# KiCad board FC_Board_v3.kicad_pcb (continued)
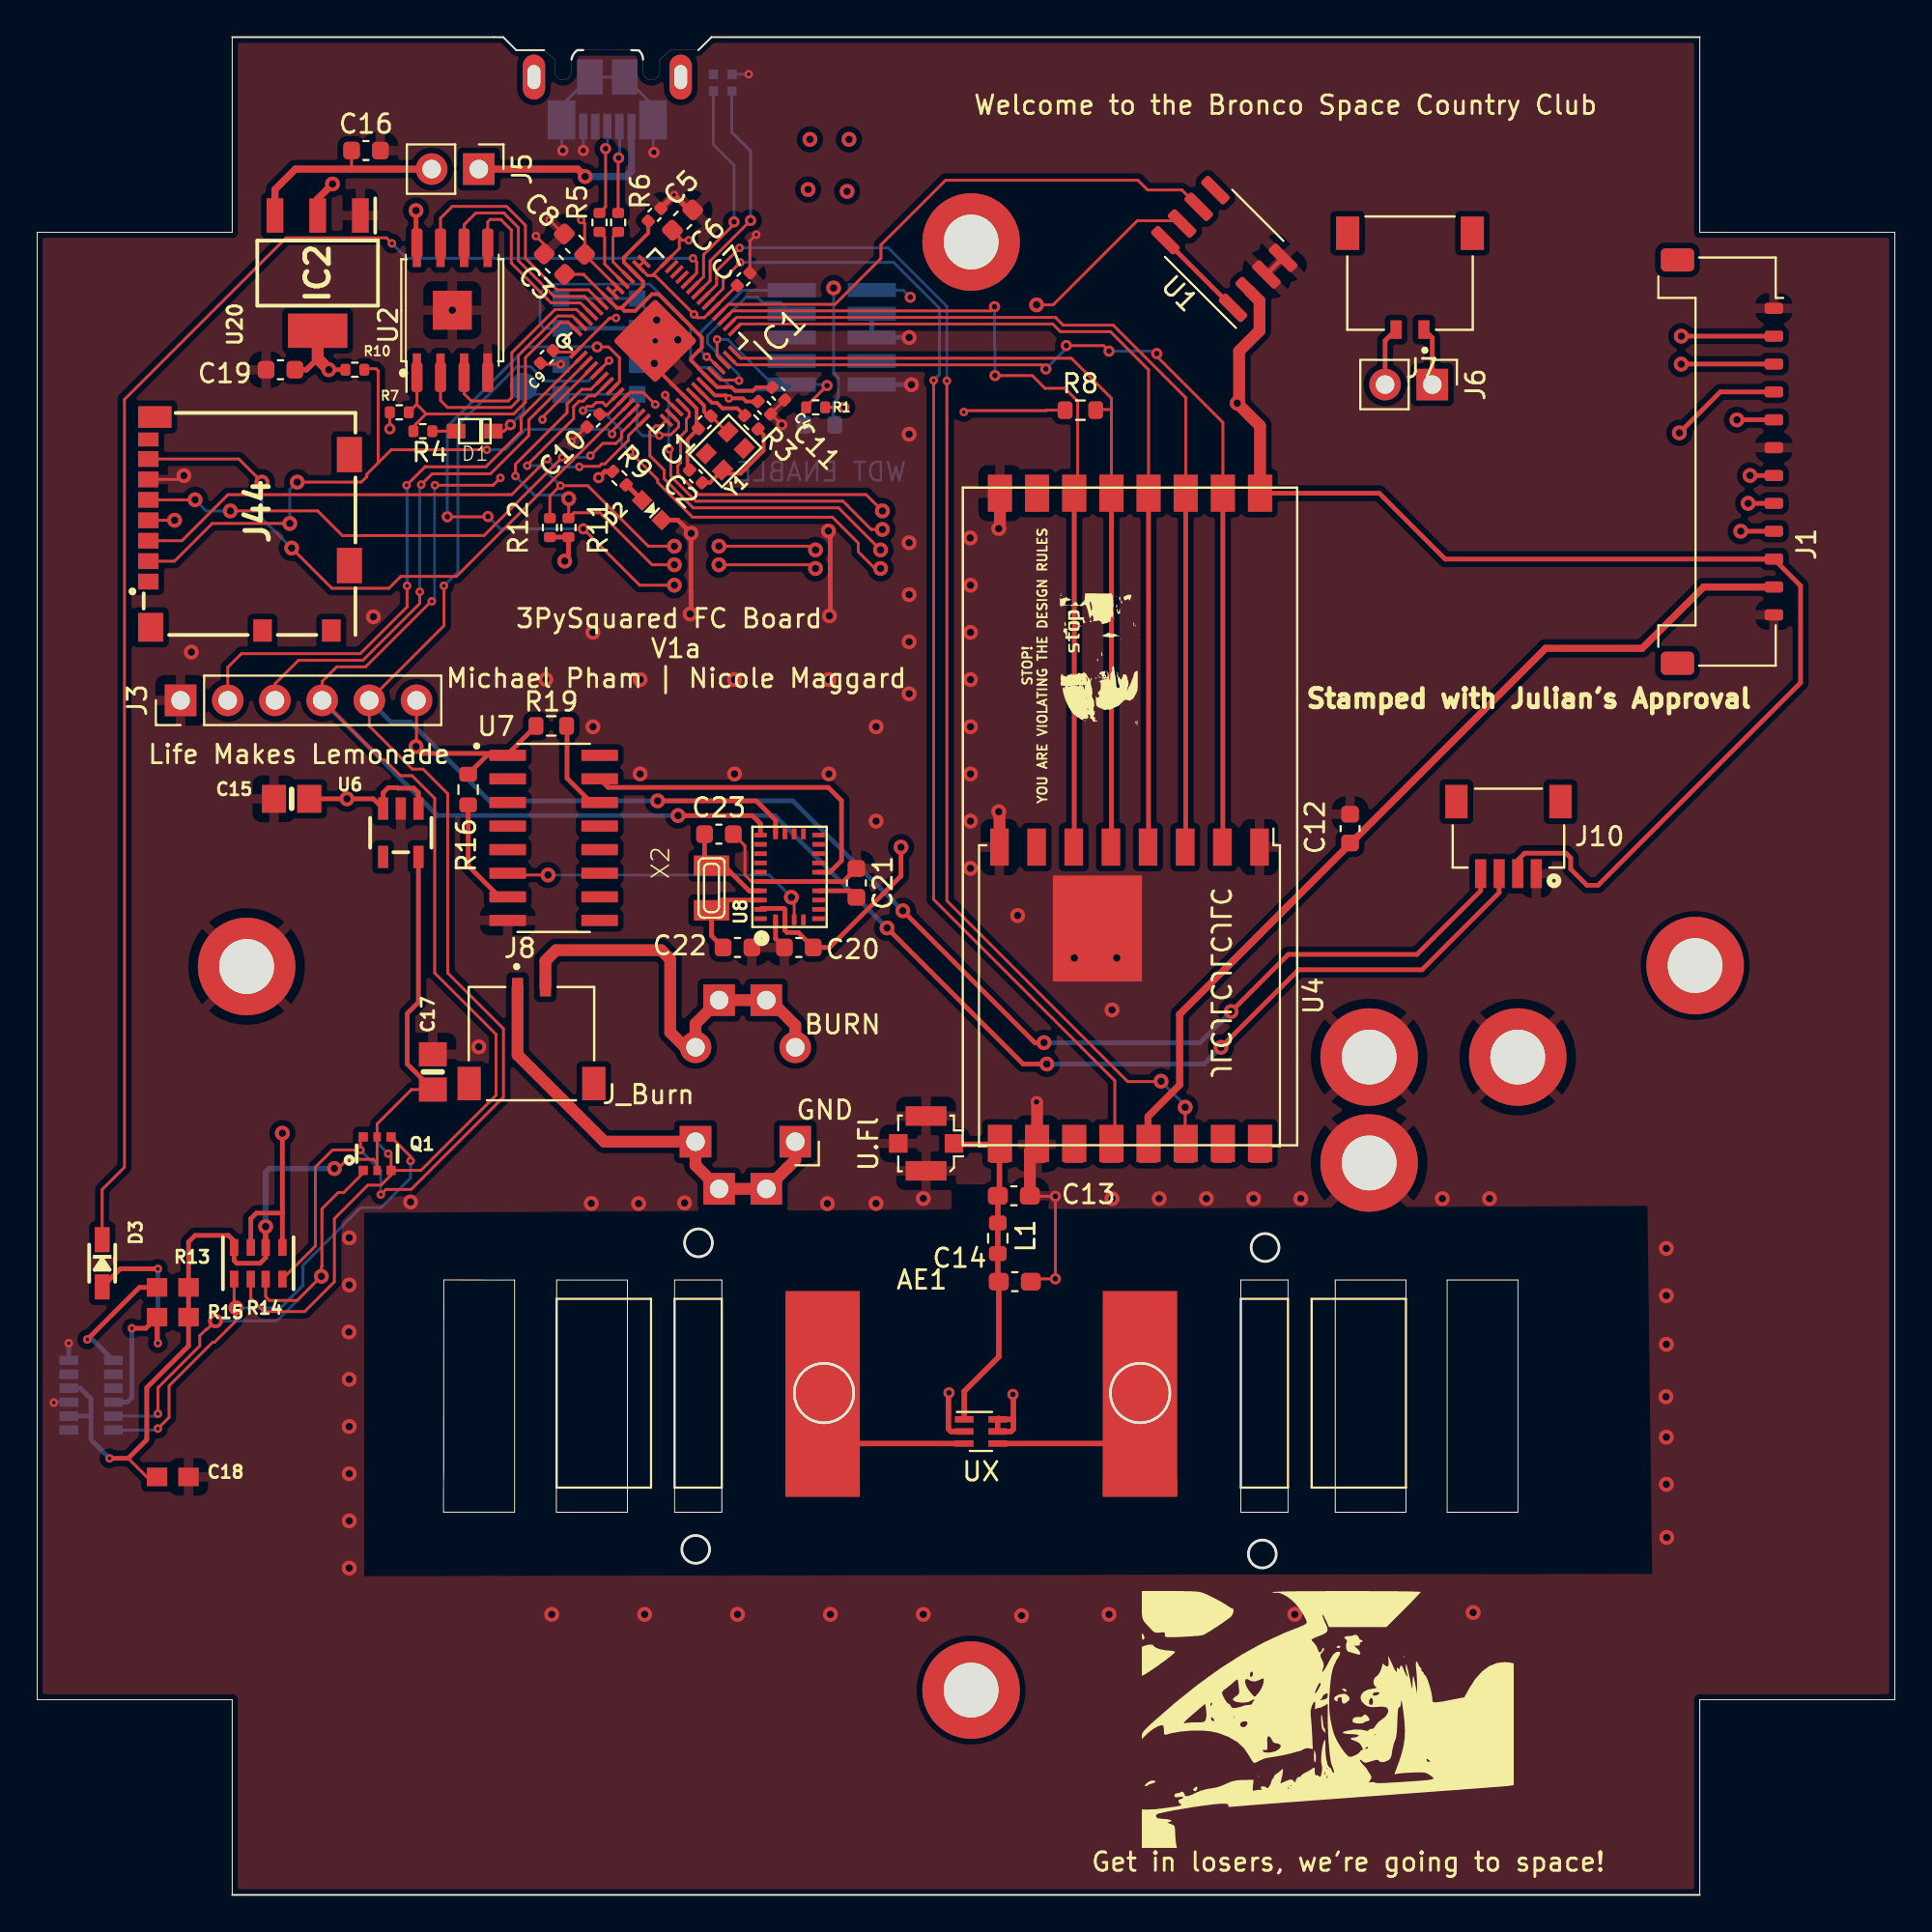
[diagram p0: board, top side]
## Footprints (pads in the part's own frame, mm; a bottom-side part is the same pattern mirrored in y, then rotated) (continued)
  rect 2.1x2.1 smd: 9(0,0)
SOT23-5
  rect 0.55x1.2 smd: 1(-0.95,-1.3) 2(0,-1.3) 3(0.95,-1.3) 4(0.95,1.3) 5(-0.95,1.3)
SOT230P700X180-4N
  rect 1.85x0.9 smd: 1(-3.1,2.3) 2(-3.1,0) 3(-3.1,-2.3)
  rect 1.85x3.2 smd: 4(3.1,0)
SOT363
  rect 0.5x0.5 smd: 1(-0.75,-0.9) 3(0.75,-0.9) 4(0.75,0.9) 6(-0.75,0.9)
  rect 0.4x0.5 smd: 2(0,-0.9) 5(0,0.9)
TESTPOINT_ROUND_1.5MM_NO
  rrect 1.5x1.5 smd: P$1(0,0)
U.FL_Molex_MCRF_73412-0110_Vertical
  rect 1x1 smd: 1(0,-1.5) 2(0,1.5)
  rect 1.05x2.2 smd: 2(-1.475,0) 2(1.475,0)
UHF_Dipole_Antenna_Mount
  rect 4x11 smd: 1(-8.54,-1.27) 2(8.54,-1.27)
  rect 4x1 smd: 1(-8.54,-6.35) 2(8.54,-6.35)
unnamed
  round 5.25 hole 2.95: 1(0,0)
VL6180
  rect 1x0.5 smd: 1(-1.2,1.875) 2(-1.2,1.125) 3(-1.2,0.375) 4(-1.2,-0.375) 5(-1.2,-1.125) 6(-1.2,-1.875) 7(1.2,-1.875) 8(1.2,-1.125) 9(1.2,-0.375) 10(1.2,0.375) 11(1.2,1.125) 12(1.2,1.875)
XTAL3215
  rect 1.1x1.9 smd: P$1(1.2,0) P$2(-1.2,0)

## Nets
1.2V: C3.1 C4.2 C5.2 IC1.23 IC1.45 IC1.50
2.8V: C17.1 C18.1 Q1.2 Q1.5 R13.2 R14.2 R14.4 R15.2 U5.8 U5.10 U6.5
3.3V: C6.1 C7.1 C8.1 C9.1 C10.1 C11.1 C15.1 C19.1 C20.1 IC1.1 IC1.10 IC1.22 IC1.33 IC1.42 IC1.43 IC1.44 IC1.48 IC1.49 IC2.2 IC2.4 J1.10 J2.1 J2#2.1 J3.6 J10. J44.4 R1.1 R7.1 R8.1 R9.1 R10.2 R11.1 R12.1 R14.1 R14.3 R16.2 R19.2 U1.2 U2.8 U3.9 U6.1 U6.3 U7.1 U8.3 U8.28
GND: C1.1 C2.1 C3.2 C4.1 C5.1 C6.2 C7.2 C8.2 C9.2 C10.2 C11.2 C12.1 C13.2 C14.2 C15.2 C16.2 C17.2 C18.2 C19.2 C20.2 C21.1 C22.2 C23.2 D2.C IC1.19 IC1.P$1 IC2.1 J1.1 J1.6 J1.12 J2#2.3 J2#2.5 J2#2.9 J3.1 J3#2.1 J10.1 J44.6 LED1.4 NOREF.1 NOREF#2.1 NOREF#3.1 SW1.B SW1.B' SW2.B SW2.B' U1.3 U1.4 U2.4 U3.2 U3.16 U3.17 U4.1 U4.8 U4.10 U5.9 U5.12 U6.2 U7.8 U8.2 U8.10 U8.25 U20.4 U20.9 U.Fl.2 UX.2 UX.5 UX.6
VBUS: J5.1 J5#2.1
VBUS_RESET: IC1.17 J1.3
VCC_RF1: C12.2 J1.11 U3.5 U4.13
/A1: IC1.39
/A2: IC1.40
/A3: IC1.41
/BATT_NEG: J6.1 J7.1
/BATT_POS: J6.2 J7.2
/BOOT: R16.1 U7.7
/BOOT_3V: U7.6 U8.4
/CAP: C21.2 U8.9
/CS: U7.9
/CS_3V: U7.10
/D+: IC1.47 R5.2
/D-: IC1.46 R6.2
/GPIO: R13.1 U5.1
/INT: U8.14
/MOSI: U7.11
/MOSI_3V: U7.12
/PS0: U7.3
/PS0_3V: U7.2
/PS1: U7.5
/PS1_3V: U7.4
/QSPI_CS: IC1.56 R4.1 R7.2 U2.1
/QSPI_DATA[0]: IC1.53 U2.5
/QSPI_DATA[1]: IC1.55 U2.2
/QSPI_DATA[2]: IC1.54 U2.3
/QSPI_DATA[3]: IC1.51 U2.7
/QSPI_SCK: IC1.52 U2.6
/RST: R19.1 U7.14
/RST_3V: U7.15 U8.11
/SCL_3V: Q1.1 R14.7 U5.5
/SDA_3V: Q1.4 R14.5 U5.6
/USBBOOT: D1.C IC1.16 SW1.A SW1.A' TP1.P$1
/XIN: C22.1 U8.27 X2.P$1
/XOUT: C23.1 U8.26 X2.P$2
/XSHUT: D3.C IC1.38
/XSHUT_2.8V: D3.A R15.1 U5.4
/~{RESET}: IC1.26 J2#2.10 R1.2 R2.1 SW2.A SW2.A'
BURN_RELAY_A: IC1.18 J1.2
ENAB_RF: IC1.15 J1.5
ENABLE_BURN: IC1.8 J1.9
I2C_RESET: IC1.9 J1.4
NEO_PWR: IC1.37 LED1.2
NEOPIX: IC1.36 LED1.1
RF1_ANT: C13.1 L1.1 U3.1 U4.9 U.Fl.1 UX.1
RF1_IO0: IC1.35 U3.6 U4.14
RF1_IO4: IC1.34 U3.4 U4.12
RF1_RST: IC1.31 U3.14 U4.6
RX: IC1.3 J3.3
SCL0: IC1.7 J1.7 R12.2
SCL1: IC1.5 J3.5 J10.4 Q1.6 R14.8 U8.19
SDA0: IC1.6 J1.8 R11.2
SDA1: IC1.4 J3.4 J10.3 Q1.3 R14.6 U8.20
SPI0_CS0: IC1.28 R8.2 U3.13 U4.5
SPI0_MISO: IC1.27 U3.10 U4.2
SPI0_MOSI: IC1.30 U3.11 U4.3
SPI0_SCK: IC1.29 U3.12 U4.4
SPI1_CS0: IC1.12 J44.2 R10.1
SPI1_MISO: IC1.11 J44.7
SPI1_MOSI: IC1.14 J44.3
SPI1_SCK: IC1.13 J44.5
SWCLK: IC1.24 J2#2.4
SWDIO: IC1.25 J2#2.2
TX: IC1.2 J3.2
VUR: C16.1 IC2.3 J5#2.2
WDT_WDI: IC1.32 U1.6
Net-(C1-Pad2): C1.2 IC1.20 Y1.3
Net-(C2-Pad2): C2.2 R3.1 Y1.1
Net-(C14-Pad1): C14.1 L1.2
Net-(D1-PadA): D1.A R4.2
Net-(D2-PadA): D2.A R9.2
Net-(IC1-Pad21): IC1.21 R3.2
Net-(R2-Pad2): R2.2 U1.7
Net-(R5-Pad1): R5.1
Net-(R6-Pad1): R6.1
Net-(U1-Pad1): U1.1 U1.8

Pads without a net: AE1 1 2; J1 MP; J2#2 6 7 8; J4 1; J7 S1 S2; J8 1 2 S1 S2; J10 S1 S2; J44 1 8 9 10 11 12 13 14; J_Burn 1 2; LED1 3; U1 5; U3 3 7 8 15; U4 7 11 15 16; U5 2 3 7 11; U6 4; U7 13 16; U8 1 5 6 7 8 12 13 15 16 17 18 21 22 23 24; U20 1 2 3 5 6 7 8; UX 3 4; X1 1 2 3 4 5 SH1 SH2 SH3 SH4 SH5 SH6; Y1 2 4

## Via types
v1: diameter 0.8, hole 0.4, Top to Bottom, 143 vias
v2: diameter 0.6, hole 0.3, Top to Bottom, 30 vias
v3: diameter 0.46, hole 0.2, Top to Bottom, 60 vias

## Routing (per net, layer and track width the routed paths; a pad name or vN(x,y) marks a point on that pad's centre or on a via; arc(x,y) is an arc through that point)
1.2V: length 22.3
  Top w0.152: IC1.50 29.44,87.2 29.44,87.23 C3.1
  Top w0.2: 31.45,85.43 31.21,85.43 IC1.50 ; 31.45,85.43 31.62,85.27 32.19,85.27 33.09,86.16 33.45,86.16 35.78,83.83 35.78,83.29 35.2,82.71 35.2,82.59 35.61,82.18 35.61,82.16 IC1.23 36.6,81.16 37.38,81.16 37.58,80.96 38.52,80.96 38.72,81.15 C4.2 ; 31.45,85.43 32.62,86.6 32.62,86.84 IC1.45 31.58,87.88 31.58,88.14 32.89,89.45 C5.2
2.8V: length 59.1
  Top w0.152: 21.15,43.2 C17.1 20.15,43.35 18.3,41.5 Q1.5 Q1.2 18.3,39.4 18.11,39.59 16.69,39.59 16.2,39.1 v1(16,39.1) ; C18.1 5.9,22.5 4.9,23.5
  Top w0.25: R14.2 12.3,34.3 12,34 10.75,34 10.6,34.15 R14.4 10.6,35.2 10.3,35.5 8.5,35.5 8.15,35.15 R13.2 R15.2 ; U6.5 20.52,48.05 19.92,47.45 19.92,44.72 C17.1
  Top w0.254: v3(3.9,23.5) 4.9,23.5 5.9,24.5 5.9,27.3 8.15,29.55 R15.2
  Top w0.293: R14.2 v1(12.3,35.97)
  Bottom w0.254: 2.9,25.7 2.9,26.7 2.32,27.27 U5.10 ; 2.9,25.7 2.9,24.5 v3(3.9,23.5) ; 2.9,25.7 2.82,25.77 U5.8
  Bottom w0.293: v1(16,39.1) 12.5,39.1 12.3,38.9 v1(12.3,35.97)
3.3V: length 194
  Top w0.152: IC1.43 IC1.44 32.86,87.17 33.11,87.17 ; R1.1 v2(43.43,80.07) ; v3(35.08,89.07) 34.73,89.07 C6.1 34.57,89.23 34.57,88.63 IC1.42 33.11,87.17 ; IC1.49 IC1.48 29.47,88.3 C8.1 29.47,89.97 v3(29.28,90.16) ; v2(18.98,78.92) 18.98,78.92 R7.1 ; R8.1 54.33,79.92 54.3,79.9 49.96,79.9 v3(49.88,79.82) ; 33.11,87.17 33.26,87.17 v3(35.36,85.08) 35.53,84.9 35.91,84.9 36.4,85.38 IC1.33 ; J44.4 7.39,73.99 v1(7.4,74) ; v3(31.16,84.88) 30.83,84.88 IC1.1 27.85,83.05 C9.1 ; J3.6 20.42,61.84 ; 36.42,85.38 37.67,86.63 C7.1 ; C10.1 30.74,79.7 31.54,80.5 IC1.10 31.91,80.88 32.62,80.88 v3(33.27,80.23)
  Top w0.2: IC1.22 36.49,80.71 37.08,80.71 v3(37.23,80.56) 38,80.56 38.17,80.39 C11.1
  Top w0.25: R14.3 11.5,36.4 11.8,36.7 13.2,36.7 ; R12.1 R11.1 28.6,72 v1(28.4,71.8) ; 13.2,36.7 v1(13.2,41) ; 13.2,36.7 R14.1 ; R10.2 v1(15.7,82.1) ; 26.87,62.8 26.78,62.8 ; U6.1 20.52,59.32 20.27,59.57 19.42,59.57 19.4,59.6 18.9,59.6 18.62,59.32 U6.3 18.1,59 v1(16.67,59) C15.1 ; R19.2 25.33,61.4 U7.1 24.22,61.34 R16.2 ; U8.28 38.99,53.1 40.2,53.1 40.25,53.05 U8.3 40.25,51.92 40.37,51.8 40.97,51.8 C20.1 42.65,51 46.5,54.84 v1(46.5,56.4) ; J1.10 89.4,71.9 ; J1.10 75.79,71.9 72.25,75.45 U3.9 ; J1.10 94.92,70.47 94.92,65.25 84.02,54.35 83.42,54.35 82.55,55.22 82.55,55.82 82.3,56.07 80.07,56.07 79.7,55.7 79.7,54.97 ; v1(20.39,61.81) 20.76,61.44 25.22,61.44
  Top w0.254: v2(30.22,76.29) 30.56,76.62 R9.1 ; v1(20.39,90.67) 20.39,89 20.44,89
  Top w0.293: 15.1,82.7 14.5,82.1 C19.1
  Top w0.381: IC2.2 15.1,91.3 v1(15.9,92.1)
  Top w0.635: 65.27,86.33 U1.2 65.8,85.8 65.8,84.2 64.7,83.1 64.7,80.4 v1(64.6,80.3) 65.83,79.07 U3.9 ; v1(15.7,82.1) 15.1,82.7 IC2.4
  In1.Cu w0.152: v2(43.43,80.07) 43.43,82.43 v2(47,86)
  In1.Cu w0.25: v1(13.2,41) 16.67,44.47 v1(16.67,59)
  Bottom w0.152: v2(47,86) 46.62,86.38 J2#2.1
  vias: v1(41.5,91.8) v1(41.6,94.5) v1(43.6,91.7) v1(43.7,94.5)
GND: length 94.9
  Top w0.152: C23.2 38.1,56.47 38.1,54.9 38.45,54.55 U8.25 ; C10.2 29.55,79.02 v3(28.75,78.22) ; 53.44,33.16 v2(54.81,33.16) v2(54.81,37.6) 53.46,37.6 C13.2 ; v3(27.58,90.16) 28.33,89.41 C8.2 ; C3.2 27.3,88.84 v3(26.85,89.29) ; C7.2 38.37,89.03 v3(38.71,89.37) ; J44.6 7.69,76.19 v1(7.9,76.4) ; v2(40.08,79.13) 39.5,79.71 C11.2 C4.1 ; C9.2 27.15,82.39 v3(28.19,82.39)
  Top w0.2: v2(33.27,83.65) 33.27,82.24 IC1.19 35.5,80.01 35.5,79.02 C1.1 35.01,78.35 35.01,76.81 C2.1
  Top w0.25: C21.1 43.4,54.55 U8.10 U8.25 ; C20.2 39.75,51.47 U8.2 ; U1.3 U1.4
  Top w0.254: v1(42.59,73.42) 42.69,73.32 42.69,70.15 42.7,70.14 42.7,68.9 v1(42.65,68.85) ; v1(35.15,68.95) 35.2,69 35.2,70.14 35.19,70.15 35.19,73.28 v1(35.2,73.29) 34.49,74.01 D2.C
  Top w0.293: C5.1 33.57,90.79 v3(34.29,91.5) 35.09,90.7 C6.2 ; 52.55,25.65 52.55,26.91 v2(52.53,26.94) ; 52.55,25.65 52.55,25.07 52.42,24.95 UX.5 UX.6 ; 52.55,25.65 52.5,25.6 UX.6 ; UX.6 51.76,25.66 ; v2(49.09,27.02) 49.06,27 49.06,25.07 49.19,24.95 UX.2
  Top w0.635: v1(51.76,73.55) 51.83,73.61 U3.16 ; U3.2 53.83,42.65 v2(53.8,42.68) ; C13.2 53.44,40.04 U4.10 ; v1(51.76,58.31) 51.8,58.27 U4.8
  Bottom w0.152: v3(0.9,26.5) 0.92,26.52 U5.9 ; v1(33.35,84.77) 32.3,85.82 SW2.B SW2.B' ; 28.23,95.55 28.23,96.33 29.75,97.85 31.63,97.85 33.15,96.33 33.15,95.55 ; LED1.4 38.29,98 v3(38.3,98.01) ; v1(33.22,82.44) 33.16,82.37 SW1.B ; v2(33.2,93.8) 33.16,93.84 33.16,95.66 ; 29.4,95.3 v2(29.4,93.9) ; 28.24,95.66 28.24,93.96 v2(28.3,93.9)
  Bottom w0.254: v1(46.94,83.83) 46.93,83.84 J2#2.5 J2#2.3 ; J2#2.9 47.06,81.3 v1(47.06,81.29) ; U5.12 v3(1.7,29.7)
  vias: v1(8.3,66.9) v1(16.8,35.37) v1(16.8,32.83) v1(16.78,30.3) v1(16.8,27.75) v1(16.8,25.21) v1(16.8,22.67) v1(16.8,20.13) v1(16.8,17.59) v1(18.1,68.8) v1(20.1,37.3) v1(22.35,85.3) v1(23.77,45.65) v1(27.38,65.42) v1(27.7,15.1) v1(29.83,37.22) v1(29.92,67.96) v1(29.92,62.88) v1(32.38,37.21) v1(32.46,65.42) v1(32.46,60.34) v1(32.7,15.1) v1(34.49,83.71) v1(34.85,37.25) v1(37.54,65.42) v1(37.54,60.34) v1(37.7,15.1) v1(42.54,37.21) v1(42.62,65.42) v1(42.62,60.34) v1(42.7,15.1) v1(45.16,62.88) v1(45.16,57.8) v1(45.16,37.22) v1(46.94,78.63) v1(46.94,72.78) v1(46.94,69.99) v1(46.94,67.45) v1(46.94,64.66) v1(47.7,37.49) v1(47.7,15.1) v1(50.22,73.04) v1(50.24,70.5) v1(50.24,67.96) v1(50.24,65.42) v1(50.24,62.88) v1(50.24,60.34) v1(50.24,57.8) v1(50.24,55.26) v1(52.78,52.72) v1(52.99,15.03) v1(55.83,50.43) v1(57.7,15.1) v1(57.86,47.64) v1(57.86,37.48) v1(58.11,50.43) v1(60.4,37.48) v1(62.7,15.1) v1(62.94,37.48) v1(65.48,37.48) v1(67.7,15.1) v1(68.02,37.48) v1(72.71,15.12) v1(75.64,37.48) v1(77.3,15.2) v1(78.18,37.48) v1(87.7,34.8) v1(87.7,32.26) v1(87.7,29.63) v1(87.68,26.81) v1(87.7,24.64) v1(87.7,22.1) v1(87.72,19.24)
VBUS: length 10.9
  Top w0.381: v1(29.5,92.5) 29.1,92.9 J5#2.1
  Bottom w0.381: 31.99,95.19 31.99,92.79 31.7,92.5 v1(29.5,92.5)
VBUS_RESET: length 71.8
  Top w0.152: IC1.17 33.81,80.57 v3(33.81,80.73) ; v3(34.03,77.81) 34.11,77.74 34.11,76.37 35.45,75.02 43.38,75.02 44.9,73.5 v1(45.5,73.5)
  Top w0.25: J1.3 88.5,82.4 v1(88.5,82.4)
  In1.Cu w0.152: 46.9,74.9 v1(45.5,73.5) 49.3,77.3 83.4,77.3 v1(88.5,82.4)
  Bottom w0.152: v3(33.81,80.73) 34,80.54 34,77.85 v3(34.03,77.81)
VCC_RF1: length 54.4
  Top w0.381: U4.13 59.8,41.9 61.5,43.6 61.5,47.4 63.95,49.85 ; J1.11 89.7,70.4 86.4,67.1 81.2,67.1 63.95,49.85 ; 63.95,49.85 67.6,53.5
(no net): length 11.3
  Top w0.293: UX.4 57.34,24.3 ; UX.3 44.27,24.3
/BATT_NEG: length 3.1
  Top w0.25: 74.65,84.26 75.1,83.81 J6.1
/BATT_POS: length 3.2
  Top w0.25: 73.15,84.26 72.56,83.66 J6.2
/BOOT: length 6.1
  Top w0.25: U7.7 24.88,53.72 23.2,55.4 R16.1
/BOOT_3V: length 17.1
  Top w0.152: U8.4 40.75,53.55 v1(40.6,53.7) ; U7.6 25.42,54.9 v1(27.5,54.9)
  Bottom w0.152: v1(40.6,53.7) 39.4,54.9 v1(27.5,54.9)
/CAP: length 2.2
  Top w0.25: U8.9 43.75,54.05 C21.2
/D+: length 3.2
  Top w0.152: R5.2 30.55,89.24 30.55,87.79 IC1.47
/D-: length 2.9
  Top w0.152: IC1.46 31,87.9 31,89.24 R6.2
/GPIO: length 6.8
  Top w0.254: v3(2.7,29.9) 5.5,32.7 R13.1
  Bottom w0.254: U5.1 2.97,29.9 v3(2.7,29.9)
/QSPI_CS: length 15.6
  Top w0.152: R7.2 20.42,80.22 20.44,80.22 ; 20.44,80.22 20.95,79.71 ; 20.44,80.22 20.44,81.65 ; 20.95,79.71 20.92,79.71 20.25,79.04 R4.1 ; 20.95,79.71 25.65,79.71 26.28,80.35 26.28,82.75 28.17,84.64 28.61,84.64 IC1.56
/QSPI_DATA[0]: length 9.9
  Top w0.152: 24.25,88.95 24.25,90.06 24.38,90.18 24.96,90.18 25.52,89.62 25.52,87.84 27.67,85.69 29.25,85.69 IC1.53
/QSPI_DATA[1]: length 12.6
  Top w0.152: 21.71,81.65 21.71,80.45 22.09,80.06 25.5,80.06 25.9,80.46 25.9,82.87 28.02,84.99 28.82,84.99 IC1.55
/QSPI_DATA[2]: length 11.2
  Top w0.152: 22.98,81.65 22.98,80.8 23.36,80.42 25.36,80.42 25.55,80.61 25.55,83.01 27.88,85.34 29.03,85.34 IC1.54
/QSPI_DATA[3]: length 13.5
  Top w0.152: IC1.51 29.67,86.4 27.98,86.4 26.28,88.09 26.28,89.87 25.27,90.89 22.35,90.89 21.71,90.25 21.71,88.95
/QSPI_SCK: length 11.5
  Top w0.152: 30.12,85.38 29.46,86.04 27.83,86.04 25.9,87.97 25.9,89.75 25.11,90.54 23.62,90.54 22.98,89.9 22.98,88.95
/RST: length 5.1
  Top w0.25: R19.1 28.52,62.9 28.52,60.11 29.83,58.8 U7.14
/RST_3V: length 18.2
  Top w0.25: U8.11 42.67,55.05 43.3,55.67 43.3,58.9 42.58,59.61 30.74,59.61 U7.15
/SCL_3V: length 26.8
  Top w0.152: Q1.1 17.55,38.85 16.5,37.8 16.21,37.8 15.33,36.93 15.33,33.83 15.3,33.8 v1(15.3,33.3) 14,32 12.5,32 12.3,32.2 R14.7 ; v1(9.6,30.9) 9.15,30.45 9.1,30.45 8.75,30.1 8.75,29.55 6.5,27.3 v3(6.5,25.9)
  Bottom w0.152: v1(9.6,30.9) 12.9,30.9 v1(15.3,33.3) ; U5.5 6.37,25.77 v3(6.5,25.9)
/SDA_3V: length 28
  Top w0.152: Q1.4 20.1,39.75 v3(20.1,39.5) ; R14.5 10.6,31.7 v1(10.7,31.6) 10.7,30.9 9.55,29.75 9.45,29.75 7.1,27.4 7.1,25.7 v3(6.5,25.1)
  Bottom w0.152: v3(6.5,25.1) 6.42,25.02 U5.6 ; v1(10.7,31.6) 13.1,31.6 14.3,32.8 14.3,33.88 17.41,36.99 18.51,36.99 20.1,38.58 v3(20.1,39.5) 20.1,39.41
/USBBOOT: length 15
  Top w0.152: D1.C 25.13,78.79 v2(25.47,79.14) ; IC1.16 34.53,79.28 34.53,79.02 34.11,78.6 33.53,78.6 v3(33.49,78.56)
  Bottom w0.152: v3(33.49,78.56) 32.58,78.56 32.3,78.84 SW1.A SW1.A' 26.6,80.77 TP1.P$1 26.19,79.85 v2(25.47,79.14)
/XIN: length 5.1
  Top w0.25: C22.1 36.3,51.62 X2.P$1 36.85,53.55 U8.27
/XOUT: length 5.1
  Top w0.25: C23.1 35.92,55.77 X2.P$2 36.97,55.4 38.32,54.05 U8.26
/XSHUT: length 82
  Top w0.152: IC1.38 35.38,87.17 35.38,87.17 35.5,87.3 35.5,87.9 v3(35.3,88.1) ; D3.C 3.5,37.97 4.7,39.17 4.7,80.5 13.4,89.2 18.8,89.2 19.1,88.9 v3(19.1,88.9)
  Bottom w0.152: v3(19.1,88.9) 19.9,88.1 v3(35.3,88.1)
/XSHUT_2.8V: length 15.3
  Top w0.254: v3(6.5,29.7) 6.45,29.75 R15.1 5.85,30.5 v3(5.1,30.5) ; D3.A 4.47,33.7 v3(6.5,33.7)
  Bottom w0.254: v3(6.5,29.7) v3(6.5,33.7) ; U5.4 4.85,26.52 5.1,26.77 v3(5.1,30.5)
/~{RESET}: length 36.9
  Top w0.152: IC1.26 36.6,82.87 36.6,83.73 v3(36.6,83.73) ; v2(42.52,81.24) 41.4,80.12 R1.2
  Bottom w0.152: J2#2.10 42.46,81.3 v2(42.52,81.24) 41.29,80.01 R2.1 ; J2#2.10 40.33,81 37.5,81 36.3,82.21 35.63,82.21 35.17,82.67 35.17,84.51 32.98,86.7 27.52,86.7 27.07,86.26 27.07,84.54 27.29,84.33 SW2.A' ; J2#2.10 39.6,81.3 37.17,83.73 v3(36.6,83.73)
  Bottom w0.254: SW2.A' SW2.A
BURN_RELAY_A: length 69.4
  Top w0.152: IC1.18 35.09,79.85 35.09,79.58 34.95,79.44 34.95,78.83 34.63,78.51 34.63,77.09 34.49,76.94 34.49,76.5 35.61,75.37 44.62,75.37 v1(45.5,74.5)
  Top w0.25: J1.2 v1(88.5,83.9)
  In1.Cu w0.152: 88.5,83.9 82.5,77.9 48.9,77.9 v1(45.5,74.5) 46.6,75.6
ENAB_RF: length 74.1
  Top w0.152: v1(45.4,72.4) 43.13,74.66 35.31,74.66 33.75,76.22 33.75,76.7 32.98,77.47 32.98,78.77 33.3,79.08 33.58,79.08 33.87,79.37 IC1.15
  Top w0.25: J1.5 91.6,79.4
  In1.Cu w0.152: 47.22,74.22 v1(45.4,72.4) 49.8,76.8 84.5,76.8 87.1,79.4 v1(91.5,79.4) 88.1,79.4
ENABLE_BURN: length 93.1
  Top w0.152: v2(22.08,74.18) 24.25,74.18 v2(24.27,74.2) ; IC1.8 31.34,81.44 31.34,82.74 30.76,83.32 v2(30.15,83.32) ; v1(34.3,70.5) 32.43,70.5 v2(29.4,73.53)
  Top w0.25: 91.7,73.4 v1(91.7,73.4) J1.9
  In1.Cu w0.152: v1(91.7,73.4) 89,73.4 84.9,69.3 46,69.3 45.7,69.6 43,69.6 42.1,70.5 v1(34.3,70.5)
  Bottom w0.152: v2(30.15,83.32) 26.37,83.32 22.08,79.03 v2(22.08,74.18) ; v2(24.27,74.2) 24.93,73.53 v2(29.4,73.53)
I2C_RESET: length 76.4
  Top w0.152: v3(31.91,77.67) 33.4,76.18 33.4,76.03 35.28,74.16 42.81,74.16 44.2,72.77 44.2,72.3 45.1,71.4 v1(45.4,71.4) ; v3(29.38,79.9) 29.61,80.12 29.88,80.12 30.09,80.34 30.44,80.34 30.62,80.15 IC1.9
  Top w0.25: J1.4 90.6,80.9 v1(88.4,78.7)
  In1.Cu w0.152: 51.97,72.37 51.37,72.37 ; 51.37,72.37 82.02,72.37 83.33,73.67 ; 51.37,72.37 47.48,72.37 46.51,71.4 v1(45.4,71.4) ; 83.33,73.67 82.56,72.9 ; 83.33,73.67 88.36,78.7
  Bottom w0.152: 88.36,78.7 v1(88.4,78.7) ; v3(29.38,79.9) 30.4,79.9 31.46,78.85 31.46,78.13 v3(31.91,77.67)
NEO_PWR: length 12
  Top w0.152: IC1.37 35.87,87.1 35.87,88.29 37.51,89.93 v2(37.51,90.06)
  Bottom w0.152: LED1.2 36.39,97.09 36.39,94.22 37.51,93.1 v2(37.51,90.06)
NEOPIX: length 12.5
  Top w0.152: v2(38.4,90.13) 36.23,87.95 36.23,86.89 IC1.36
  Bottom w0.152: LED1.1 37.39,97.08 37.39,94.89 38.4,93.88 v2(38.4,90.13)
RF1_ANT: length 18.2
  Top w0.293: U4.9 49.4,40.4 U.Fl.1 ; U4.9 51.7,40.3 ; U4.9 51.8,37.72 C13.1 51.71,36.17 L1.1 51.71,34.52 51.71,33.06 51.76,33.01 51.76,28.96 49.9,27.1 49.9,27.09 UX.1
RF1_IO0: length 67.5
  Top w0.152: 61.8,42.43 U4.14 ; IC1.35 36.58,86.68 36.58,87.42 v3(37.81,88.66) ; v3(48.97,81.5) 48.97,53.51 58.7,43.78 60.48,43.78 v1(60.5,43.8)
  Bottom w0.152: v1(61.8,42.4) 61.8,42.5 v1(60.5,43.8) ; v3(48.97,81.5) 48.97,85.5 45.81,88.66 44.8,88.66 44.8,88.66 v3(37.81,88.66)
RF1_IO4: length 63.9
  Top w0.152: IC1.34 36.13,85.68 36.93,86.47 36.93,86.96 v3(37.84,87.87) ; v3(48.26,81.52) 48.26,53.58 58.01,43.83 58.01,40.61 U4.12
  Bottom w0.152: v3(37.84,87.87) 46.1,87.87 48.57,85.4 48.57,81.83 v3(48.26,81.52)
RF1_RST: length 47.7
  Top w0.152: IC1.31 37.43,85.27 51.31,85.27 v2(51.53,85.49) ; U3.14 55.83,75.65 56.01,75.84 56.01,80.4 55.31,81.1 54.25,81.1 53.57,81.78 v2(51.56,81.78)
  Top w0.254: U4.6 55.83,56.43 U3.14
  Bottom w0.152: v2(51.56,81.78) 51.56,83.27 51.53,83.29 v2(51.53,85.49)
RX: length 29
  Top w0.152: v3(20.6,70.14) 20.6,69.52 17.54,66.46 14.07,66.46 12.8,65.19 J3.3 ; v3(20.67,75.91) 21.26,76.49 24.4,76.49 26.47,78.56 26.47,79.39 IC1.3
  Bottom w0.152: v3(20.6,70.14) 20.6,75.83 v3(20.67,75.91)
SCL0: length 80.7
  Top w0.152: IC1.7 30.03,80.69 29.68,80.69 29.39,80.4 29.17,80.4 28.88,80.11 28.88,79.46 26.38,76.97 v3(26.38,76.93) ; R12.2 27.6,75.3 28.16,75.86 v3(28.17,75.86) 29.64,75.86 32.9,72.6 v1(34.3,72.6) ; v1(41.9,72.4) 41.7,72.6 v1(36.7,72.6)
  Top w0.25: 92.2,76.4 v1(92.2,76.4) J1.7
  In1.Cu w0.152: v1(41.9,72.4) 43.7,70.6 45.6,70.6 46.05,71.05 46.65,71.05 47.41,71.8 83.9,71.8 88.5,76.4 v1(92.2,76.4) ; v1(34.3,72.6) v1(36.7,72.6)
  Bottom w0.152: v3(28.17,75.86) 27.09,76.93 v3(26.38,76.93)
SCL1: length 153.9
  Top w0.152: R14.8 14.98,34.92 14.98,39.17 15.9,40.1 v3(17.4,40.1) 17.4,40.65 Q1.6 ; v3(18.5,37.7) 18.78,37.97 20.13,37.97 25.1,42.94 25.1,46.62 22.1,49.62 22.1,59.27 20.77,60.6 20.2,60.6 17.88,62.92 J3.5 21.89,68.31 v3(21.89,70.47) ; v3(30.78,82.59) 30.12,81.93 IC1.5
  Top w0.25: J10.4 77.7,54.05 74.27,50.62 67.35,50.62 v1(64.27,47.55) ; v1(46.6,52.97) 53.7,45.87 v1(54.2,45.87) ; v1(33.4,58.89) 38.71,58.89 39.75,57.85 U8.19
  Bottom w0.152: v3(30.78,82.59) 29.69,81.5 27.33,81.5 26.57,82.26 25.8,82.26 22.66,79.11 22.66,71.23 v3(21.89,70.47) ; v3(17.4,40.1) 18.5,39 v3(18.5,37.7)
  Bottom w0.25: J3.5 19.06,63.13 20.11,63.13 24.34,58.89 v1(33.4,58.89) 40.68,58.89 v1(46.6,52.97) ; v1(54.2,45.87) 62.6,45.87 v1(64.27,47.55)
SDA0: length 80.9
  Top w0.152: v1(41.9,71.4) 41.7,71.6 v1(36.7,71.6) ; v1(34.3,71.6) 33.1,71.6 30.3,74.4 28.89,74.4 R11.2 ; R11.2 28.45,74.26 ; R11.2 28.61,74.12 v1(28.61,75.16) ; v3(25.75,76.37) 25.75,77.01 28.53,79.79 28.53,80.25 29.31,81.04 29.81,81.04 IC1.6
  Top w0.25: 92.1,74.9 v1(92.1,74.9) J1.8
  In1.Cu w0.152: v1(41.9,71.4) 43.05,70.25 45.85,70.25 46.3,70.69 46.8,70.69 47.55,71.45 85.15,71.45 88.6,74.9 v1(92.1,74.9) ; 34.3,71.6 v1(36.7,71.6)
  Bottom w0.152: v3(25.75,76.37) 26.77,75.35 28.52,75.35 28.63,75.24 28.63,75.17 v1(28.61,75.16) ; v1(34.3,71.6) 34.3,71.6
SDA1: length 157
  Top w0.152: Q1.3 19.05,39.75 v3(18.9,39.9) ; Q1.3 20.66,39 24.7,43.04 24.7,46.32 21.4,49.62 21.4,59.03 20.18,60.25 19.55,60.25 18.7,61.1 18.54,61.1 J3.4 15.34,65.32 16.13,66.1 17.68,66.1 21.21,69.63 v3(21.24,69.63) ; Q1.3 19.05,38.75 18.51,38.2 17.81,38.2 16,36.4 16,33 14.4,31.4 12.2,31.4 11.5,32.1 R14.6 ; v3(21.41,75.88) 24.54,75.88 v3(24.94,76.27) ; v3(27.2,79.41) 27.2,79.54 29.84,82.18 IC1.4
  Top w0.25: v1(45.75,52.05) 53.07,44.72 v1(54.35,44.72) ; v1(63.72,45.62) 67.9,49.8 74.55,49.8 78.7,53.95 J10.3 ; U8.20 38.94,57.66 38.5,58.1 v1(34.5,58.1)
  In1.Cu w0.152: v3(27.2,79.41) 27.2,78.54 v3(24.94,76.27)
  Bottom w0.152: v3(21.24,69.63) 21.39,69.77 21.39,75.85 v3(21.41,75.88) ; v3(18.9,39.9) 18.39,40.4
  Bottom w0.25: v1(54.35,44.72) 62.82,44.72 v1(63.72,45.62) ; v1(45.75,52.05) 39.7,58.1 v1(34.5,58.1) 21.54,58.1 J3.4
SPI0_CS0: length 46.3
  Top w0.152: 57.83,79.95 57.02,79.95 R8.2 ; 57.83,79.95 57.83,80.56 55.68,82.72 37.88,82.72 IC1.28 ; 57.83,79.95 U3.13
  Top w0.254: U4.5 57.83,56.43 U3.13
SPI0_MISO: length 52.1
  Top w0.152: IC1.27 37.67,82.36 40.05,82.36 40.05,82.36 54.08,82.36 v2(54.3,82.14) ; v2(57.7,83.1) 57.4,83.39 55.4,83.39 v2(55.4,83.4) ; U3.10 63.83,79.26 60.27,82.82 v2(60.27,82.97)
  Top w0.254: U4.2 63.83,56.43 U3.10
  Bottom w0.152: v2(60.27,82.97) 60.14,83.1 v2(57.7,83.1) ; v2(54.3,82.14) 55.4,83.24 v2(55.4,83.4)
SPI0_MOSI: length 50.7
  Top w0.152: U3.11 61.83,80.59 57.92,84.5 55.23,84.5 54.81,84.91 37.64,84.91 IC1.30
  Top w0.254: U3.11 61.83,56.43 U4.3
SPI0_SCK: length 49.1
  Top w0.152: IC1.29 37.86,84.56 54.67,84.56 55.08,84.15 57.78,84.15 59.83,82.09 U3.12
  Top w0.254: U4.4 59.83,56.43 U3.12
SPI1_CS0: length 36.7
  Top w0.152: v3(24.2,77.79) 19.06,77.79 18.35,77.08 ; 17.58,82.15 18.24,82.15 18.35,82.04 18.35,77.08 ; v1(14,76.05) 17.45,76.05 17.75,76.34 17.75,76.47 18.35,77.08 ; IC1.12 32.09,79.94 30.95,78.79 v3(30.95,78.64) ; J44.2 7.39,71.79 9.42,73.82 v1(13.6,73.82)
  Bottom w0.152: v1(14,76.05) 13.6,75.65 v1(13.6,73.82) ; v3(24.2,77.79) 25.2,77.79 26.3,78.89 30.69,78.89 v3(30.95,78.64)
SPI1_MISO: length 34
  Top w0.152: IC1.11 22.57,70.97 19.57,70.97 18.93,70.33 15.87,70.33 v1(13.7,72.5) ; v1(12.1,76.05) 10.85,77.29 J44.7
  Bottom w0.152: v1(13.7,72.5) 12.1,74.1 v1(12.1,76.05)
SPI1_MOSI: length 29.9
  Top w0.152: IC1.14 32.65,79.37 31.82,78.55 31.82,78.3 30.56,77.03 30.39,77.03 30.26,76.9 29.21,76.9 v3(29.18,76.87) ; J44.3 7.79,72.89 10.27,75.37 25.37,75.37 25.37,75.37 25.54,75.37 v3(27.45,77.29)
  Bottom w0.152: v3(27.45,77.29) 27.87,76.87 v3(29.18,76.87)
SPI1_SCK: length 30.1
  Top w0.152: v1(10.4,74.5) 15.1,74.5 16.43,73.17 24.06,73.17 v3(28.27,77.38) ; IC1.13 31.46,78.73 31.46,78.43 31.16,78.13 30.44,78.13 v3(29.78,77.47) ; v1(8.5,75.1) 8.49,75.09 J44.5
  Bottom w0.152: v1(10.4,74.5) 9.1,74.5 v1(8.5,75.1) ; v3(29.78,77.47) 29.69,77.38 28.27,77.38 v3(28.27,77.38)
SWCLK: length 10.4
  Top w0.152: IC1.24 36.79,81.54 37.74,81.54 v3(37.78,81.51)
  Bottom w0.152: v3(37.78,81.51) 37.78,81.81 36.09,83.5 36.09,83.94 38.15,85.99 38.77,85.99 39.04,85.72 40.01,85.72 J2#2.4
SWDIO: length 8.2
  Top w0.152: v3(36.04,82.8) 36.1,82.8 IC1.25
  Bottom w0.152: v3(36.04,82.8) 35.74,83.1 35.74,84.14 37.98,86.38 J2#2.2
TX: length 32
  Top w0.152: v3(19.91,70.47) 19.91,69.33 17.4,66.81 11,66.81 10.26,66.08 J3.2 ; v3(19.89,75.88) 20.88,76.87 24.15,76.87 26.05,78.77 26.05,79.38 26.03,79.39 26.03,79.53 IC1.2
  Bottom w0.152: v3(19.89,75.88) 19.91,75.85 v3(19.91,70.47)
VUR: length 11.3
  Top w0.152: C16.1 16.92,92.92
  Top w0.381: J5#2.2 16.9,92.9 ; 16.9,92.9 13.9,92.9 12.8,91.8 IC2.3 ; 16.9,92.9 16.92,92.92
WDT_WDI: length 29.8
  Top w0.152: IC1.32 37.22,85.62 42.95,85.62 45.42,88.09 45.42,88.82 48.9,92.3 59.25,92.3 59.78,91.77 61.62,91.77 U1.6
Net-(C1-Pad2): length 2.9
  Top w0.152: Y1.3 37.13,78.75 C1.2
  Top w0.2: C1.2 36.13,79.61 35.9,79.84 35.9,80.17 IC1.20
Net-(C2-Pad2): length 5.5
  Top w0.2: R3.1 39.11,78.6 39.11,77.74 37.87,76.5 37.1,76.5 Y1.1 36.22,76.02 35.8,76.02 C2.2
Net-(D1-PadA): length 1.3
  Top w0.152: R4.2 D1.A
Net-(D2-PadA): length 1.2
  Top w0.254: R9.2 31.73,75.9 D2.A
Net-(IC1-Pad21): length 3.1
  Top w0.2: IC1.21 36.32,80.31 36.6,80.31 36.89,80.02 36.89,80.02 37.69,80.02 R3.2
Net-(R2-Pad2): length 29.7
  Top w0.152: U1.7 61.48,90.12 59.22,90.12 54.69,85.59 v1(53.8,85.59)
  In1.Cu w0.152: v1(42.87,86.5) 42.95,86.57 47.24,86.57 49.39,84.42 52.63,84.42 v1(53.8,85.59)
  Bottom w0.152: v1(42.87,86.5) 42.87,81.93 43.13,81.67 43.13,80.58 42.86,80.31 42.86,79.21 R2.2
Net-(R5-Pad1): length 4.9
  Top w0.152: R5.1 30.6,90.87 v2(30.6,94)
  Bottom w0.152: 30.7,95.3 30.7,94.1 v2(30.6,94)
Net-(R6-Pad1): length 4.8
  Top w0.152: R6.1 31.28,93.47 v2(31.3,93.5)
  Bottom w0.152: v2(31.3,93.5) 31.35,93.55 31.35,95.3
Net-(U1-Pad1): length 5.2
  Top w0.25: U1.8 U1.1
unconnected-(J8-Pad1): length 24
  Top w0.635: J8.1 25.86,45.22 30.53,40.54 35.44,40.54 35.44,39.27 36.71,38 39.25,38 40.39,39.14 40.4,39.14 40.81,39.55 40.81,40.54
unconnected-(J8-Pad2): length 23.1
  Top w0.635: J8.2 27.36,50.28 27.93,50.85 33.59,50.85 34.08,50.37 34.08,46.43 34.89,45.62 35.44,45.62 35.44,46.89 36.71,48.16 39.45,48.16 40.81,46.81 40.81,45.62

## Copper pours and planes (outline as drawn; the poured copper is in the pictures)
3.3V on In1.Cu: 74,55.2 -0.56,55.26 -0.56,100.98 74,101
GND on Top: 101.04,-0.62 -0.56,-0.62 -0.56,100.98 101.04,100.98
GND on In1.Cu: 101.04,-0.62 -0.56,-0.62 -0.56,100.98 101.04,100.98
GND on In2.Cu: 101.04,-0.62 -0.56,-0.62 -0.56,100.98 101.04,100.98
(no net) on Bottom: 101.04,37.48 -0.56,37.48 -0.56,100.98 101.04,100.98
(no net) on Bottom: 101.04,-0.62 -0.56,-0.62 -0.56,17.16 101.04,17.16

## Text on the board
Bottom: WDT ENABLE
B.Mask: Ad Astra Tempore | CubeSat Any% Speedrun / Glitchless | PySquared Route / 18 Days 12 Hours 13 Minutes 2 Seconds | Be Aware of Snake / Traveler Snake No Harm You / Snake Aware of You | This CubeSat was designed entirely by STUDENTS at / California State Polytechnic University, Pomona | THE PLEIADES FIVE | BRONCO SPACE Educational Product / For Instructional Use Only | 2 | 3Py
B.Silkscreen: Remove Before Flight / Pin Port / --------------------> | Batt Charging / Bypass | Burn Wire / Port | BEFORE FLIGHT: / 1.) Ensure R2 is Populated / 2.) Check Burnwire Setting / 3.) Remove Inhibit Boots / 4a.) Don't Panic / 4b.) Integrate Satellite Quickly! / 5.) Remove RBF Pin / 6.) Celebrate! / 7.) FiFi | + | - | GND | TX | RX | SDA1 | SCL1 | 3.3V
User.Drawings: 5.5mm clearance for structure / and Solar mounting
F.Mask: {dblquote}In another life, / I would have really liked just / doing laundry and taxes with you.{dblquote}
F.Silkscreen: STOP! / YOU ARE VIOLATING THE DESIGN RULES | JLCJLCJLCJLC | Life Makes Lemonade | 3PySquared FC Board / V1a / Michael Pham | Nicole Maggard | Welcome to the Bronco Space Country Club | Get in losers, we're going to space! | Stamped with Julian's Approval
